# KiCad board backplane.kicad_pcb (continued)
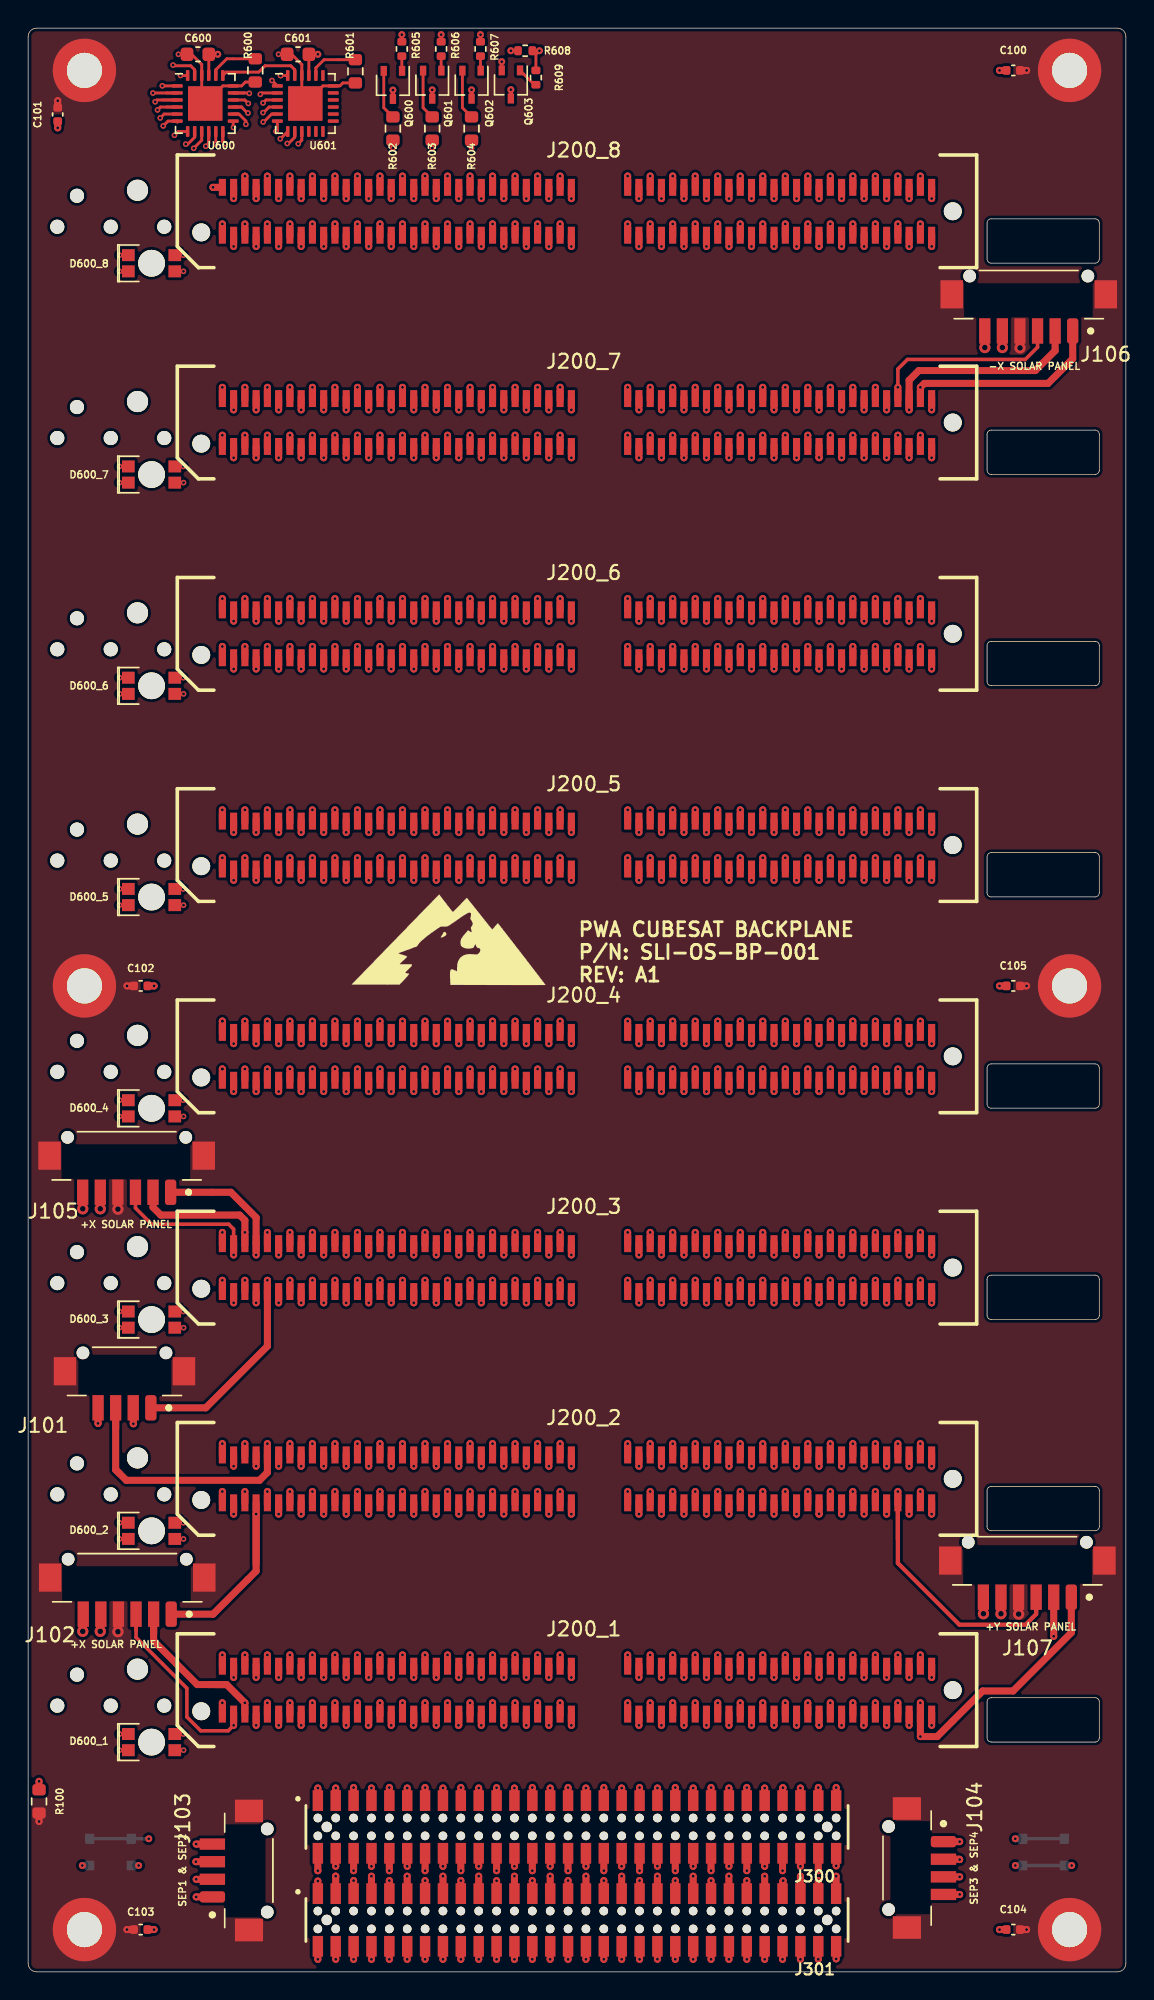
[diagram p0: board, top side]
## Routing (per net, layer and track width the routed paths; a pad name or vN(x,y) marks a point on that pad's centre or on a via; arc(x,y) is an arc through that point) (continued)
/H2-24: length 141.5
  Top w0.5: v1(35.4,125.9) 35.4,126.8 ; v1(35.4,20.9) 35.4,21.8 ; v1(35.4,35.9) 35.4,36.8 ; v1(35.4,50.9) 35.4,51.8 ; v1(35.4,65.9) 35.4,66.8 ; v1(35.4,80.9) 35.4,81.8 ; v1(35.4,95.9) 35.4,96.8 ; v1(35.4,110.9) 35.4,111.8 ; J301.28 v1(37.1,0.89)
  In2.Cu w0.25: v1(35.4,20.9) 35.4,18.94 35.98,18.36 35.98,16.99 ; v1(37.1,0.89) 36.46,1.52 36.46,11.17 ; 36.46,11.17 36.46,12.99 ; 36.46,11.17 36.46,15.75 35.98,16.23 35.98,16.99 ; 35.98,16.99 35.98,18.26
  In2.Cu w0.5: 35.4,125.9 35.4,123.68 34.6,122.87 34.6,122.3 35.4,121.5 v1(35.4,110.9) ; 35.4,110.9 35.4,108.68 34.6,107.87 34.6,107.3 35.4,106.5 v1(35.4,95.9) ; 35.4,95.9 35.4,93.68 34.6,92.87 34.6,92.3 35.4,91.5 v1(35.4,80.9) ; 35.4,80.9 35.4,78.68 34.6,77.87 34.6,77.3 35.4,76.5 v1(35.4,65.9) ; v1(35.4,35.9) 35.4,46.5 34.6,47.3 34.6,47.87 35.4,48.68 35.4,50.9 ; 35.4,65.9 35.4,63.68 34.6,62.87 34.6,62.3 35.4,61.5 v1(35.4,50.9) ; 35.4,35.9 35.4,33.68 34.6,32.87 34.6,32.3 35.4,31.5 v1(35.4,20.9)
/H2-25: length 129.5
  Top w0.5: 37,122.5 37,123.4 ; 37,17.5 37,18.4 ; 37,32.5 37,33.4 ; 37,47.5 37,48.4 ; 37,62.5 37,63.4 ; 37,77.5 37,78.4 ; 37,92.5 37,93.4 ; 37,107.5 37,108.4 ; J301.29 v1(38.37,6.48)
  In4.Cu w0.25: v1(37,17.5) 37,14.32 37.73,13.59 37.73,6.76 38.01,6.48 v1(38.37,6.48)
  In4.Cu w0.5: v1(37,122.5) 37,112.1 36.2,111.3 36.2,110.28 37,109.48 37,107.5 ; 37,17.5 37,19.48 36.2,20.28 36.2,21.3 37,22.1 v1(37,32.5) ; 37,32.5 37,34.48 36.2,35.28 36.2,36.3 37,37.1 v1(37,47.5) ; 37,47.5 37,49.48 36.2,50.28 36.2,51.3 37,52.1 v1(37,62.5) ; 37,62.5 37,64.48 36.2,65.28 36.2,66.3 37,67.1 v1(37,77.5) ; 37,77.5 37,79.48 36.2,80.28 36.2,81.3 37,82.1 v1(37,92.5) ; 37,92.5 37,94.48 36.2,95.28 36.2,96.3 37,97.1 v1(37,107.5)
/H2-26: length 139.4
  Top w0.5: 37,125.9 37,126.8 ; 37,20.9 37,21.8 ; 37,35.9 37,36.8 ; 37,50.9 37,51.8 ; 37,65.9 37,66.8 ; 37,80.9 37,81.8 ; 37,95.9 37,96.8 ; 37,110.9 37,111.8 ; J301.30 v1(38.37,0.89)
  In2.Cu w0.25: 37,20.9 37,18.94 37.73,18.21 37.73,11.94 ; v1(38.37,0.89) 37.73,1.52 37.73,11.94 ; 37.73,11.94 37.73,12.99
  In2.Cu w0.5: v1(37,125.9) 37,123.68 36.2,122.87 36.2,122.3 37,121.5 37,110.9 ; v1(37,110.9) 37,108.68 36.2,107.87 36.2,107.3 37,106.5 37,95.9 ; v1(37,95.9) 37,93.68 36.2,92.87 36.2,92.3 37,91.5 37,80.9 ; v1(37,80.9) 37,78.68 36.2,77.87 36.2,77.3 37,76.5 37,65.9 ; 37,35.9 37,46.5 36.2,47.3 36.2,47.87 37,48.68 v1(37,50.9) ; v1(37,65.9) 37,63.68 36.2,62.87 36.2,62.3 37,61.5 37,50.9 ; v1(37,35.9) 37,33.68 36.2,32.87 36.2,32.3 37,31.5 37,20.9
  vias: v1(37,20.9)
/H2-27: length 128.6
  Top w0.5: J200_1.63 v1(38.6,17.5) ; J200_2.63 v1(38.6,32.5) ; J200_3.63 v1(38.6,47.5) ; J200_4.63 v1(38.6,62.5) ; J200_5.63 v1(38.6,77.5) ; J200_6.63 v1(38.6,92.5) ; J200_7.63 v1(38.6,107.5) ; J301.31 39.63,6.79 ; J200_8.63 v1(38.6,122.5)
  In4.Cu w0.25: v1(39.63,6.79) 39.28,6.79 39,7.07 39,13.3 38.6,13.7 v1(38.6,17.5)
  In4.Cu w0.5: v1(38.6,122.5) 38.6,112.1 37.8,111.3 37.8,110.28 38.6,109.48 38.6,107.5 ; 38.6,17.5 38.6,19.48 37.8,20.28 37.8,21.3 38.6,22.1 v1(38.6,32.5) ; 38.6,32.5 38.6,34.48 37.8,35.28 37.8,36.3 38.6,37.1 v1(38.6,47.5) ; 38.6,47.5 38.6,49.48 37.8,50.28 37.8,51.3 38.6,52.1 v1(38.6,62.5) ; 38.6,62.5 38.6,64.48 37.8,65.28 37.8,66.3 38.6,67.1 v1(38.6,77.5) ; 38.6,77.5 38.6,79.48 37.8,80.28 37.8,81.3 38.6,82.1 v1(38.6,92.5) ; 38.6,92.5 38.6,94.48 37.8,95.28 37.8,96.3 38.6,97.1 v1(38.6,107.5)
/H2-28: length 138.3
  Top w0.5: J200_1.64 v1(38.6,20.9) ; J200_2.64 v1(38.6,35.9) ; J200_3.64 v1(38.6,50.9) ; J200_4.64 v1(38.6,65.9) ; J200_5.64 v1(38.6,80.9) ; J200_6.64 v1(38.6,95.9) ; J200_7.64 v1(38.6,110.9) ; J301.32 v1(39.63,0.89) ; J200_8.64 v1(38.6,125.9)
  In2.Cu w0.25: 38.6,20.9 38.6,18.94 39.18,18.36 39.18,17.22 39,17.05 39,12.19 ; v1(39.63,0.89) 39,1.52 39,12.19 ; 39,12.19 39,12.99
  In2.Cu w0.5: v1(38.6,125.9) 38.6,123.68 37.8,122.87 37.8,122.3 38.6,121.5 38.6,110.9 ; v1(38.6,110.9) 38.6,108.68 37.8,107.87 37.8,107.3 38.6,106.5 38.6,95.9 ; v1(38.6,95.9) 38.6,93.68 37.8,92.87 37.8,92.3 38.6,91.5 38.6,80.9 ; v1(38.6,80.9) 38.6,78.68 37.8,77.87 37.8,77.3 38.6,76.5 38.6,65.9 ; 38.6,35.9 38.6,46.5 37.8,47.3 37.8,47.87 38.6,48.68 v1(38.6,50.9) ; v1(38.6,65.9) 38.6,63.68 37.8,62.87 37.8,62.3 38.6,61.5 38.6,50.9 ; v1(38.6,35.9) 38.6,33.68 37.8,32.87 37.8,32.3 38.6,31.5 38.6,20.9
/H2-33: length 134.5
  Top w0.5: v1(46.6,122.5) 46.6,123.4 ; v1(46.6,17.5) 46.6,18.4 ; v1(46.6,32.5) 46.6,33.4 ; v1(46.6,47.5) 46.6,48.4 ; v1(46.6,62.5) 46.6,63.4 ; v1(46.6,77.5) 46.6,78.4 ; v1(46.6,92.5) 46.6,93.4 ; v1(46.6,107.5) 46.6,108.4 ; J301.37 v1(43.45,6.48)
  In4.Cu w0.25: v1(43.45,6.48) 43.09,6.48 42.81,6.76 42.81,9.91 ; 42.81,9.91 42.81,13.59 ; 42.81,9.91 42.81,13.71 v1(46.6,17.5)
  In4.Cu w0.5: 46.6,122.5 46.6,112.1 45.8,111.3 45.8,110.28 46.6,109.48 v1(46.6,107.5) ; 46.6,32.5 46.6,22.1 45.8,21.3 45.8,20.28 46.6,19.48 v1(46.6,17.5) ; 46.6,47.5 46.6,37.1 45.8,36.3 45.8,35.28 46.6,34.48 v1(46.6,32.5) ; 46.6,62.5 46.6,52.1 45.8,51.3 45.8,50.28 46.6,49.48 v1(46.6,47.5) ; 46.6,77.5 46.6,67.1 45.8,66.3 45.8,65.28 46.6,64.48 v1(46.6,62.5) ; 46.6,92.5 46.6,82.1 45.8,81.3 45.8,80.28 46.6,79.48 v1(46.6,77.5) ; 46.6,107.5 46.6,97.1 45.8,96.3 45.8,95.28 46.6,94.48 v1(46.6,92.5)
/H2-34: length 140.6
  Top w0.5: v1(46.6,125.9) 46.6,126.8 ; v1(46.6,20.9) 46.6,21.8 ; v1(46.6,35.9) 46.6,36.8 ; v1(46.6,50.9) 46.6,51.8 ; v1(46.6,65.9) 46.6,66.8 ; v1(46.6,80.9) 46.6,81.8 ; v1(46.6,95.9) 46.6,96.8 ; v1(46.6,110.9) 46.6,111.8 ; J301.38 v1(43.45,0.89)
  In2.Cu w0.25: v1(46.6,20.9) 46.6,18.94 46.02,18.36 46.02,17.67 42.81,14.46 42.81,11.94 ; v1(43.45,0.89) 42.81,1.52 42.81,11.94 ; 42.81,11.94 42.81,12.99
  In2.Cu w0.5: 46.6,125.9 46.6,123.68 45.8,122.87 45.8,122.3 46.6,121.5 v1(46.6,110.9) ; 46.6,110.9 46.6,108.68 45.8,107.87 45.8,107.3 46.6,106.5 v1(46.6,95.9) ; 46.6,95.9 46.6,93.68 45.8,92.87 45.8,92.3 46.6,91.5 v1(46.6,80.9) ; v1(46.6,50.9) 46.6,61.5 45.8,62.3 45.8,62.87 46.6,63.68 46.6,65.9 ; 46.6,50.9 46.6,48.68 45.8,47.87 45.8,47.3 46.6,46.5 v1(46.6,35.9) ; 46.6,80.9 46.6,78.68 45.8,77.87 45.8,77.3 46.6,76.5 v1(46.6,65.9) ; 46.6,35.9 46.6,33.68 45.8,32.87 45.8,32.3 46.6,31.5 v1(46.6,20.9)
/H2-35: length 132.1
  Top w0.5: v1(48.2,122.5) 48.2,123.4 ; v1(48.2,17.5) 48.2,18.4 ; v1(48.2,32.5) 48.2,33.4 ; v1(48.2,47.5) 48.2,48.4 ; v1(48.2,62.5) 48.2,63.4 ; v1(48.2,77.5) 48.2,78.4 ; v1(48.2,92.5) 48.2,93.4 ; v1(48.2,107.5) 48.2,108.4 ; J301.39 44.71,6.79
  In4.Cu w0.25: v1(44.71,6.79) 44.36,6.79 44.08,7.07 44.08,7.87 ; 44.08,7.87 44.08,13.38 v1(48.2,17.5) ; 44.08,7.87 44.08,9.02
  In4.Cu w0.5: 48.2,122.5 48.2,112.1 47.4,111.3 47.4,110.28 48.2,109.48 v1(48.2,107.5) ; 48.2,32.5 48.2,22.1 47.4,21.3 47.4,20.28 48.2,19.48 v1(48.2,17.5) ; 48.2,47.5 48.2,37.1 47.4,36.3 47.4,35.28 48.2,34.48 v1(48.2,32.5) ; 48.2,62.5 48.2,52.1 47.4,51.3 47.4,50.28 48.2,49.48 v1(48.2,47.5) ; 48.2,77.5 48.2,67.1 47.4,66.3 47.4,65.28 48.2,64.48 v1(48.2,62.5) ; 48.2,92.5 48.2,82.1 47.4,81.3 47.4,80.28 48.2,79.48 v1(48.2,77.5) ; 48.2,107.5 48.2,97.1 47.4,96.3 47.4,95.28 48.2,94.48 v1(48.2,92.5)
/H2-36: length 141
  Top w0.5: v1(48.2,125.9) 48.2,126.8 ; v1(48.2,20.9) 48.2,21.8 ; v1(48.2,35.9) 48.2,36.8 ; v1(48.2,50.9) 48.2,51.8 ; v1(48.2,65.9) 48.2,66.8 ; v1(48.2,80.9) 48.2,81.8 ; v1(48.2,95.9) 48.2,96.8 ; v1(48.2,110.9) 48.2,111.8 ; J301.40 v1(44.71,0.9)
  In2.Cu w0.25: v1(48.2,20.9) 48.2,18.94 47.62,18.36 47.62,16.81 44.08,13.27 44.08,11.68 ; 44.71,0.89 44.08,1.52 44.08,11.68 ; 44.08,11.68 44.08,12.99
  In2.Cu w0.5: 48.2,125.9 48.2,123.68 47.4,122.87 47.4,122.3 48.2,121.5 v1(48.2,110.9) ; 48.2,110.9 48.2,108.68 47.4,107.87 47.4,107.3 48.2,106.5 v1(48.2,95.9) ; 48.2,95.9 48.2,93.68 47.4,92.87 47.4,92.3 48.2,91.5 v1(48.2,80.9) ; v1(48.2,50.9) 48.2,61.5 47.4,62.3 47.4,62.87 48.2,63.68 48.2,65.9 ; v1(48.2,35.9) 48.2,46.5 47.4,47.3 47.4,47.87 48.2,48.68 48.2,50.9 ; 48.2,80.9 48.2,78.68 47.4,77.87 47.4,77.3 48.2,76.5 v1(48.2,65.9) ; v1(48.2,20.9) 48.2,31.5 47.4,32.3 47.4,32.87 48.2,33.68 48.2,35.9
/H2-37: length 131.2
  Top w0.5: v1(49.8,122.5) 49.8,123.4 ; v1(49.8,17.5) 49.8,18.4 ; v1(49.8,32.5) 49.8,33.4 ; v1(49.8,47.5) 49.8,48.4 ; v1(49.8,62.5) 49.8,63.4 ; v1(49.8,77.5) 49.8,78.4 ; v1(49.8,92.5) 49.8,93.4 ; v1(49.8,107.5) 49.8,108.4 ; J301.41 v1(45.99,6.48)
  In4.Cu w0.25: v1(45.99,6.48) 45.63,6.48 45.35,6.76 45.35,11.05 45.35,11.05 45.35,13.3 49.55,17.5 v1(49.8,17.5)
  In4.Cu w0.5: 49.8,122.5 49.8,112.1 49,111.3 49,110.28 49.8,109.48 v1(49.8,107.5) ; 49.8,32.5 49.8,22.1 49,21.3 49,20.28 49.8,19.48 v1(49.8,17.5) ; 49.8,47.5 49.8,37.1 49,36.3 49,35.28 49.8,34.48 v1(49.8,32.5) ; 49.8,62.5 49.8,52.1 49,51.3 49,50.28 49.8,49.48 v1(49.8,47.5) ; 49.8,77.5 49.8,67.1 49,66.3 49,65.28 49.8,64.48 v1(49.8,62.5) ; 49.8,92.5 49.8,82.1 49,81.3 49,80.28 49.8,79.48 v1(49.8,77.5) ; 49.8,107.5 49.8,97.1 49,96.3 49,95.28 49.8,94.48 v1(49.8,92.5)
/H2-38: length 140.4
  Top w0.5: v1(49.8,125.9) 49.8,126.8 ; v1(49.8,20.9) 49.8,21.8 ; v1(49.8,35.9) 49.8,36.8 ; v1(49.8,50.9) 49.8,51.8 ; v1(49.8,65.9) 49.8,66.8 ; v1(49.8,80.9) 49.8,81.8 ; v1(49.8,95.9) 49.8,96.8 ; v1(49.8,110.9) 49.8,111.8 ; J301.42 v1(45.99,0.89)
  In2.Cu w0.25: v1(49.8,20.9) 49.8,18.94 49.22,18.36 49.22,17.17 45.35,13.3 45.35,12.44 ; v1(45.99,0.89) 45.35,1.52 45.35,12.44 ; 45.35,12.44 45.35,12.99
  In2.Cu w0.5: 49.8,125.9 49.8,123.68 49,122.87 49,122.3 49.8,121.5 v1(49.8,110.9) ; 49.8,110.9 49.8,108.68 49,107.87 49,107.3 49.8,106.5 v1(49.8,95.9) ; 49.8,95.9 49.8,93.68 49,92.87 49,92.3 49.8,91.5 v1(49.8,80.9) ; v1(49.8,50.9) 49.8,61.5 49,62.3 49,62.87 49.8,63.68 49.8,65.9 ; 49.8,50.9 49.8,48.68 49,47.87 49,47.3 49.8,46.5 v1(49.8,35.9) ; 49.8,80.9 49.8,78.68 49,77.87 49,77.3 49.8,76.5 v1(49.8,65.9) ; 49.8,35.9 49.8,33.68 49,32.87 49,32.3 49.8,31.5 v1(49.8,20.9)
/H2-39: length 132.4
  Top w0.5: v1(51.4,122.5) 51.4,123.4 ; v1(51.4,17.5) 51.4,18.4 ; v1(51.4,32.5) 51.4,33.4 ; v1(51.4,47.5) 51.4,48.4 ; v1(51.4,62.5) 51.4,63.4 ; v1(51.4,77.5) 51.4,78.4 ; v1(51.4,92.5) 51.4,93.4 ; v1(51.4,107.5) 51.4,108.4 ; J301.43 47.26,6.79
  In4.Cu w0.25: v1(47.25,6.79) 46.9,6.79 46.62,7.07 46.62,8.13 ; 46.62,8.13 46.62,9.02 ; 46.62,8.13 46.62,13.27 50.85,17.5 v1(51.4,17.5)
  In4.Cu w0.5: 51.4,122.5 51.4,112.1 50.6,111.3 50.6,110.28 51.4,109.48 v1(51.4,107.5) ; 51.4,32.5 51.4,22.1 50.6,21.3 50.6,20.28 51.4,19.48 v1(51.4,17.5) ; 51.4,47.5 51.4,37.1 50.6,36.3 50.6,35.28 51.4,34.48 v1(51.4,32.5) ; 51.4,62.5 51.4,52.1 50.6,51.3 50.6,50.28 51.4,49.48 v1(51.4,47.5) ; 51.4,77.5 51.4,67.1 50.6,66.3 50.6,65.28 51.4,64.48 v1(51.4,62.5) ; 51.4,92.5 51.4,82.1 50.6,81.3 50.6,80.28 51.4,79.48 v1(51.4,77.5) ; 51.4,107.5 51.4,97.1 50.6,96.3 50.6,95.28 51.4,94.48 v1(51.4,92.5)
/H2-40: length 141.6
  Top w0.5: v1(51.4,125.9) 51.4,126.8 ; v1(51.4,20.9) 51.4,21.8 ; v1(51.4,35.9) 51.4,36.8 ; v1(51.4,50.9) 51.4,51.8 ; v1(51.4,65.9) 51.4,66.8 ; v1(51.4,80.9) 51.4,81.8 ; v1(51.4,95.9) 51.4,96.8 ; v1(51.4,110.9) 51.4,111.8 ; J301.44 v1(47.26,0.89)
  In2.Cu w0.25: v1(51.4,20.9) 51.4,18.94 50.82,18.36 50.82,17.47 46.62,13.27 46.62,11.43 ; v1(47.26,0.89) 46.62,1.52 46.62,11.43 ; 46.62,11.43 46.62,12.99
  In2.Cu w0.5: 51.4,125.9 51.4,123.68 50.6,122.87 50.6,122.3 51.4,121.5 v1(51.4,110.9) ; v1(51.4,95.9) 51.4,106.5 50.6,107.3 50.6,107.87 51.4,108.68 51.4,110.9 ; v1(51.4,80.9) 51.4,91.5 50.6,92.3 50.6,92.87 51.4,93.68 51.4,95.9 ; v1(51.4,65.9) 51.4,76.5 50.6,77.3 50.6,77.87 51.4,78.68 51.4,80.9 ; 51.4,50.9 51.4,48.68 50.6,47.87 50.6,47.3 51.4,46.5 v1(51.4,35.9) ; v1(51.4,50.9) 51.4,61.5 50.6,62.3 50.6,62.87 51.4,63.68 51.4,65.9 ; 51.4,35.9 51.4,33.68 50.6,32.87 50.6,32.3 51.4,31.5 v1(51.4,20.9)
/H2-41: length 131.9
  Top w0.5: v1(53,122.5) 53,123.4 ; v1(53,17.5) 53,18.4 ; v1(53,32.5) 53,33.4 ; v1(53,47.5) 53,48.4 ; v1(53,62.5) 53,63.4 ; v1(53,77.5) 53,78.4 ; v1(53,92.5) 53,93.4 ; v1(53,107.5) 53,108.4 ; J301.45 v1(48.52,6.48)
  In4.Cu w0.25: v1(48.52,6.48) 48.17,6.48 47.89,6.76 47.89,13.3 51.51,16.92 52.42,16.92 v1(53,17.5)
  In4.Cu w0.5: 53,122.5 53,112.1 52.2,111.3 52.2,110.28 53,109.48 v1(53,107.5) ; v1(53,17.5) 53,19.48 52.2,20.28 52.2,21.3 53,22.1 53,32.5 ; v1(53,32.5) 53,34.48 52.2,35.28 52.2,36.3 53,37.1 53,47.5 ; v1(53,47.5) 53,49.48 52.2,50.28 52.2,51.3 53,52.1 53,62.5 ; v1(53,62.5) 53,64.48 52.2,65.28 52.2,66.3 53,67.1 53,77.5 ; v1(53,77.5) 53,79.48 52.2,80.28 52.2,81.3 53,82.1 53,92.5 ; v1(53,92.5) 53,94.48 52.2,95.28 52.2,96.3 53,97.1 53,107.5
/H2-42: length 141.5
  Top w0.5: v1(53,125.9) 53,126.8 ; v1(53,20.9) 53,21.8 ; v1(53,35.9) 53,36.8 ; v1(53,50.9) 53,51.8 ; v1(53,65.9) 53,66.8 ; v1(53,80.9) 53,81.8 ; v1(53,95.9) 53,96.8 ; v1(53,110.9) 53,111.8 ; J301.46 v1(48.52,0.89)
  In2.Cu w0.25: v1(53,20.9) 53,18.94 52.42,18.36 52.42,17.67 51.68,16.92 51.12,16.92 47.89,13.69 47.89,11.94 ; v1(48.52,0.89) 47.89,1.52 47.89,11.94 ; 47.89,11.94 47.89,12.99
  In2.Cu w0.5: 53,125.9 53,123.68 52.2,122.87 52.2,122.3 53,121.5 v1(53,110.9) ; v1(53,95.9) 53,106.5 52.2,107.3 52.2,107.87 53,108.68 53,110.9 ; v1(53,80.9) 53,91.5 52.2,92.3 52.2,92.87 53,93.68 53,95.9 ; v1(53,35.9) 53,46.5 52.2,47.3 52.2,47.87 53,48.68 53,50.9 ; v1(53,65.9) 53,76.5 52.2,77.3 52.2,77.87 53,78.68 53,80.9 ; v1(53,50.9) 53,61.5 52.2,62.3 52.2,62.87 53,63.68 53,65.9 ; v1(53,20.9) 53,31.5 52.2,32.3 52.2,32.87 53,33.68 53,35.9
/H2-43: length 132.7
  Top w0.5: v1(54.6,122.5) 54.6,123.4 ; v1(54.6,17.5) 54.6,18.4 ; v1(54.6,32.5) 54.6,33.4 ; v1(54.6,47.5) 54.6,48.4 ; v1(54.6,62.5) 54.6,63.4 ; v1(54.6,77.5) 54.6,78.4 ; v1(54.6,92.5) 54.6,93.4 ; v1(54.6,107.5) 54.6,108.4 ; J301.47 49.79,6.79
  In4.Cu w0.25: v1(49.79,6.79) 49.44,6.79 49.16,7.07 49.16,8.51 ; v1(54.6,17.5) 53.57,16.47 52.36,16.47 49.16,13.27 49.16,8.51 ; 49.16,8.51 49.16,9.02
  In4.Cu w0.5: 54.6,122.5 54.6,112.1 53.8,111.3 53.8,110.28 54.6,109.48 v1(54.6,107.5) ; v1(54.6,17.5) 54.6,19.48 53.8,20.28 53.8,21.3 54.6,22.1 54.6,32.5 ; v1(54.6,32.5) 54.6,34.48 53.8,35.28 53.8,36.3 54.6,37.1 54.6,47.5 ; v1(54.6,47.5) 54.6,49.48 53.8,50.28 53.8,51.3 54.6,52.1 54.6,62.5 ; v1(54.6,62.5) 54.6,64.48 53.8,65.28 53.8,66.3 54.6,67.1 54.6,77.5 ; v1(54.6,77.5) 54.6,79.48 53.8,80.28 53.8,81.3 54.6,82.1 54.6,92.5 ; v1(54.6,92.5) 54.6,94.48 53.8,95.28 53.8,96.3 54.6,97.1 54.6,107.5
/H2-44: length 141.8
  Top w0.5: v1(54.6,125.9) 54.6,126.8 ; v1(54.6,20.9) 54.6,21.8 ; v1(54.6,35.9) 54.6,36.8 ; v1(54.6,50.9) 54.6,51.8 ; v1(54.6,65.9) 54.6,66.8 ; v1(54.6,80.9) 54.6,81.8 ; v1(54.6,95.9) 54.6,96.8 ; v1(54.6,110.9) 54.6,111.8 ; J301.48 v1(49.79,0.89)
  In2.Cu w0.25: v1(54.6,20.9) 54.6,18.94 54.02,18.36 54.02,17.67 53.28,16.92 52.81,16.92 49.16,13.27 49.16,11.68 ; v1(49.79,0.89) 49.16,1.52 49.16,11.68 ; 49.16,11.68 49.16,12.99
  In2.Cu w0.5: 54.6,125.9 54.6,123.68 53.8,122.87 53.8,122.3 54.6,121.5 v1(54.6,110.9) ; 54.6,110.9 54.6,108.68 53.8,107.87 53.8,107.3 54.6,106.5 v1(54.6,95.9) ; 54.6,95.9 54.6,93.68 53.8,92.87 53.8,92.3 54.6,91.5 v1(54.6,80.9) ; v1(54.6,50.9) 54.6,61.5 53.8,62.3 53.8,62.87 54.6,63.68 54.6,65.9 ; 54.6,50.9 54.6,48.68 53.8,47.87 53.8,47.3 54.6,46.5 v1(54.6,35.9) ; 54.6,80.9 54.6,78.68 53.8,77.87 53.8,77.3 54.6,76.5 v1(54.6,65.9) ; 54.6,35.9 54.6,33.68 53.8,32.87 53.8,32.3 54.6,31.5 v1(54.6,20.9)
/H2-45: length 132.6
  Top w0.5: 56.2,122.5 v1(56.2,122.52) 56.2,123.4 ; 56.2,17.5 v1(56.2,17.52) 56.2,18.4 ; 56.2,32.5 v1(56.2,32.52) 56.2,33.4 ; 56.2,47.5 v1(56.2,47.52) 56.2,48.4 ; 56.2,62.5 v1(56.2,62.52) 56.2,63.4 ; 56.2,77.5 v1(56.2,77.52) 56.2,78.4 ; 56.2,92.5 v1(56.2,92.52) 56.2,93.4 ; 56.2,107.5 v1(56.2,107.52) 56.2,108.4 ; J301.49 v1(51.07,6.48)
  In4.Cu w0.25: v1(51.07,6.48) 50.71,6.48 50.43,6.76 50.43,13.3 53.14,16.02 54.7,16.02 v1(56.2,17.52)
  In4.Cu w0.5: 56.2,122.5 56.2,112.1 55.4,111.3 55.4,110.28 56.2,109.48 56.2,107.5 ; 56.2,17.5 56.2,19.48 55.4,20.28 55.4,21.3 56.2,22.1 56.2,32.5 ; 56.2,32.5 56.2,34.48 55.4,35.28 55.4,36.3 56.2,37.1 56.2,47.5 ; 56.2,47.5 56.2,49.48 55.4,50.28 55.4,51.3 56.2,52.1 56.2,62.5 ; 56.2,62.5 56.2,64.48 55.4,65.28 55.4,66.3 56.2,67.1 56.2,77.5 ; 56.2,77.5 56.2,79.48 55.4,80.28 55.4,81.3 56.2,82.1 56.2,92.5 ; 56.2,92.5 56.2,94.48 55.4,95.28 55.4,96.3 56.2,97.1 56.2,107.5
/H2-46: length 142
  Top w0.5: 56.2,125.9 56.2,126.8 ; 56.2,20.9 56.2,21.8 ; 56.2,35.9 56.2,36.8 ; 56.2,50.9 56.2,51.8 ; 56.2,65.9 56.2,66.8 ; 56.2,80.9 56.2,81.8 ; 56.2,95.9 56.2,96.8 ; 56.2,110.9 56.2,111.8 ; J301.50 v1(51.07,0.89)
  In2.Cu w0.25: 56.2,20.9 56.2,18.94 55.18,17.92 55.18,17.22 54.88,16.92 53.92,16.92 50.43,13.44 50.43,11.94 ; v1(51.07,0.89) 50.43,1.52 50.43,11.94 ; 50.43,11.94 50.43,12.99
  In2.Cu w0.5: v1(56.2,125.9) 56.2,123.68 55.4,122.87 55.4,122.3 56.2,121.5 56.2,110.9 ; v1(56.2,110.9) 56.2,108.68 55.4,107.87 55.4,107.3 56.2,106.5 56.2,95.9 ; v1(56.2,95.9) 56.2,93.68 55.4,92.87 55.4,92.3 56.2,91.5 56.2,80.9 ; 56.2,50.9 56.2,61.5 55.4,62.3 55.4,62.87 56.2,63.68 v1(56.2,65.9) ; v1(56.2,50.9) 56.2,48.68 55.4,47.87 55.4,47.3 56.2,46.5 56.2,35.9 ; v1(56.2,80.9) 56.2,78.68 55.4,77.87 55.4,77.3 56.2,76.5 56.2,65.9 ; v1(56.2,35.9) 56.2,33.68 55.4,32.87 55.4,32.3 56.2,31.5 56.2,20.9
  vias: v1(56.2,20.9)
/H2-49: length 133.1
  Top w0.5: v1(59.4,122.5) 59.4,123.4 ; v1(59.4,32.5) 59.4,33.4 ; v1(59.4,47.5) 59.4,48.4 ; v1(59.4,62.5) 59.4,63.4 ; v1(59.4,77.5) 59.4,78.4 ; v1(59.4,92.5) 59.4,93.4 ; v1(59.4,107.5) 59.4,108.4 ; J301.53 53.6,6.39 53.65,6.43 ; v1(59.36,17.5) 59.4,17.54 59.4,18.4
  In4.Cu w0.25: 53.6,6.48 53.25,6.48 52.97,6.76 52.97,13.26 54.81,15.11 56.97,15.11 v1(59.36,17.5)
  In4.Cu w0.5: 59.4,122.5 59.4,112.1 58.6,111.3 58.6,110.28 59.4,109.48 v1(59.4,107.5) ; 59.4,47.5 59.4,37.1 58.6,36.3 58.6,35.28 59.4,34.48 v1(59.4,32.5) ; 59.4,62.5 59.4,52.1 58.6,51.3 58.6,50.28 59.4,49.48 v1(59.4,47.5) ; 59.4,77.5 59.4,67.1 58.6,66.3 58.6,65.28 59.4,64.48 v1(59.4,62.5) ; 59.4,92.5 59.4,82.1 58.6,81.3 58.6,80.28 59.4,79.48 v1(59.4,77.5) ; 59.4,107.5 59.4,97.1 58.6,96.3 58.6,95.28 59.4,94.48 v1(59.4,92.5) ; v1(59.36,17.5) 59.36,19.51 58.6,20.28 58.6,21.3 59.4,22.1 59.4,32.5
  vias: v1(53.65,6.48)
/H2-50: length 142.6
  Top w0.5: v1(59.4,125.9) 59.4,126.8 ; v1(59.4,20.9) 59.4,21.8 ; v1(59.4,35.9) 59.4,36.8 ; v1(59.4,50.9) 59.4,51.8 ; v1(59.4,65.9) 59.4,66.8 ; v1(59.4,80.9) 59.4,81.8 ; v1(59.4,95.9) 59.4,96.8 ; v1(59.4,110.9) 59.4,111.8 ; J301.54 v1(53.6,0.89)
  In2.Cu w0.25: v1(59.4,20.9) 59.4,18.94 58.78,18.32 58.78,17.63 57.17,16.02 55.72,16.02 52.97,13.27 52.97,11.94 ; v1(53.6,0.89) 52.97,1.52 52.97,11.94 ; 52.97,11.94 52.97,12.99
  In2.Cu w0.5: 59.4,125.9 59.4,123.68 58.6,122.87 58.6,122.3 59.4,121.5 v1(59.4,110.9) ; v1(59.4,95.9) 59.4,106.5 58.6,107.3 58.6,107.87 59.4,108.68 59.4,110.9 ; v1(59.4,80.9) 59.4,91.5 58.6,92.3 58.6,92.87 59.4,93.68 59.4,95.9 ; v1(59.4,65.9) 59.4,76.5 58.6,77.3 58.6,77.87 59.4,78.68 59.4,80.9 ; v1(59.4,35.9) 59.4,46.5 58.6,47.3 58.6,47.87 59.4,48.68 59.4,50.9 ; v1(59.4,50.9) 59.4,61.5 58.6,62.3 58.6,62.87 59.4,63.68 59.4,65.9 ; v1(59.4,20.9) 59.4,31.5 58.6,32.3 58.6,32.87 59.4,33.68 59.4,35.9
/H2-51: length 134.4
  Top w0.5: v1(61,122.5) 61,123.4 ; v1(61,32.5) 61,33.4 ; v1(61,47.5) 61,48.4 ; v1(61,62.5) 61,63.4 ; v1(61,77.5) 61,78.4 ; v1(61,92.5) 61,93.4 ; v1(61,107.5) 61,108.4 ; J301.55 54.88,6.79 ; 61,18.4 61,17.5 v1(61,17.5)